# Altium PCB coenv_PCB.PcbDoc
Units mm, origin at the board's own origin, x right, y up, seen from the top; angles counter-clockwise.
Board outline 60.2 x 70.1 mm, 2 copper layers (Top Layer, Bottom Layer); 17 components, 29 nets, 109 pads, 0 vias.
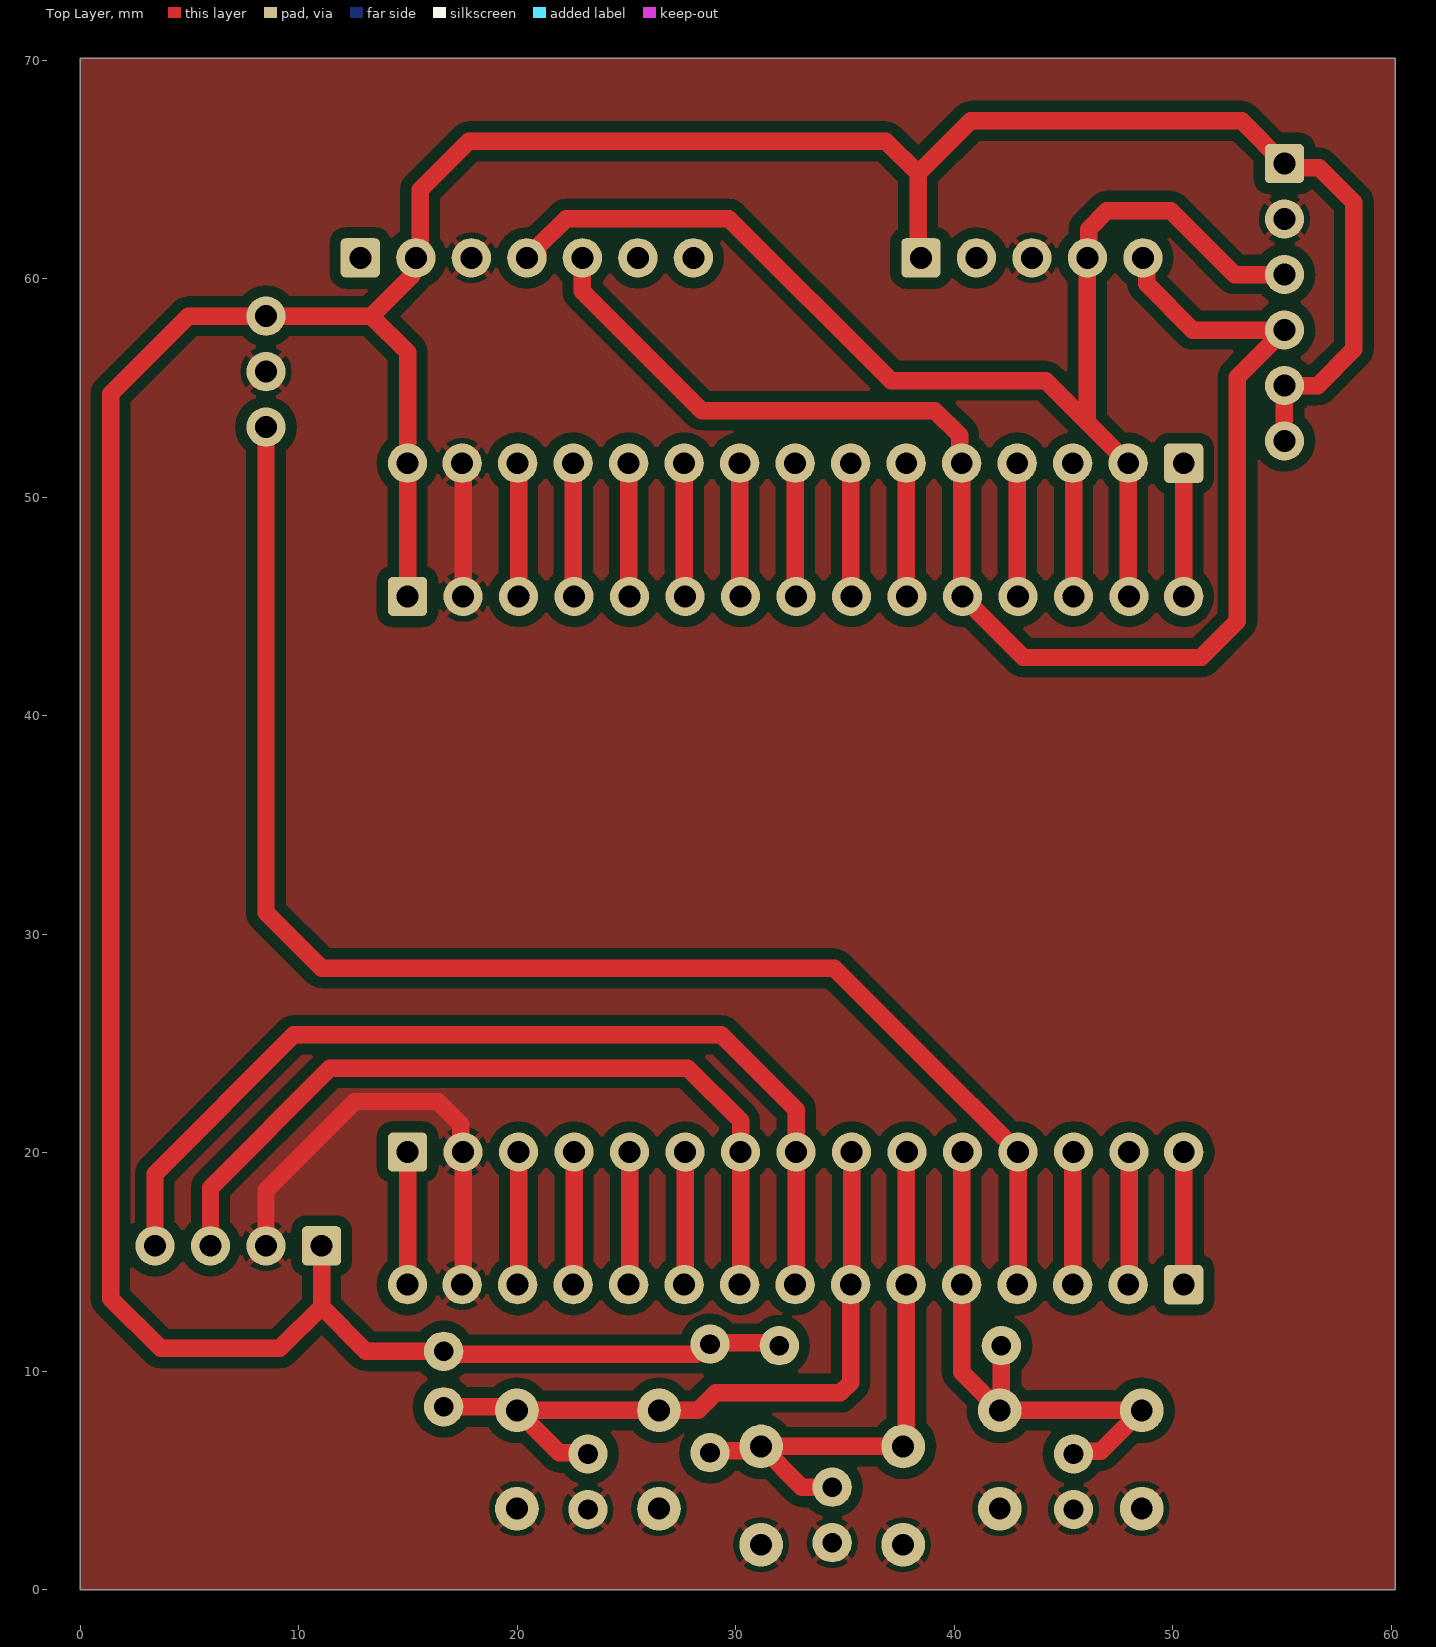
[diagram p0: Top Layer view]
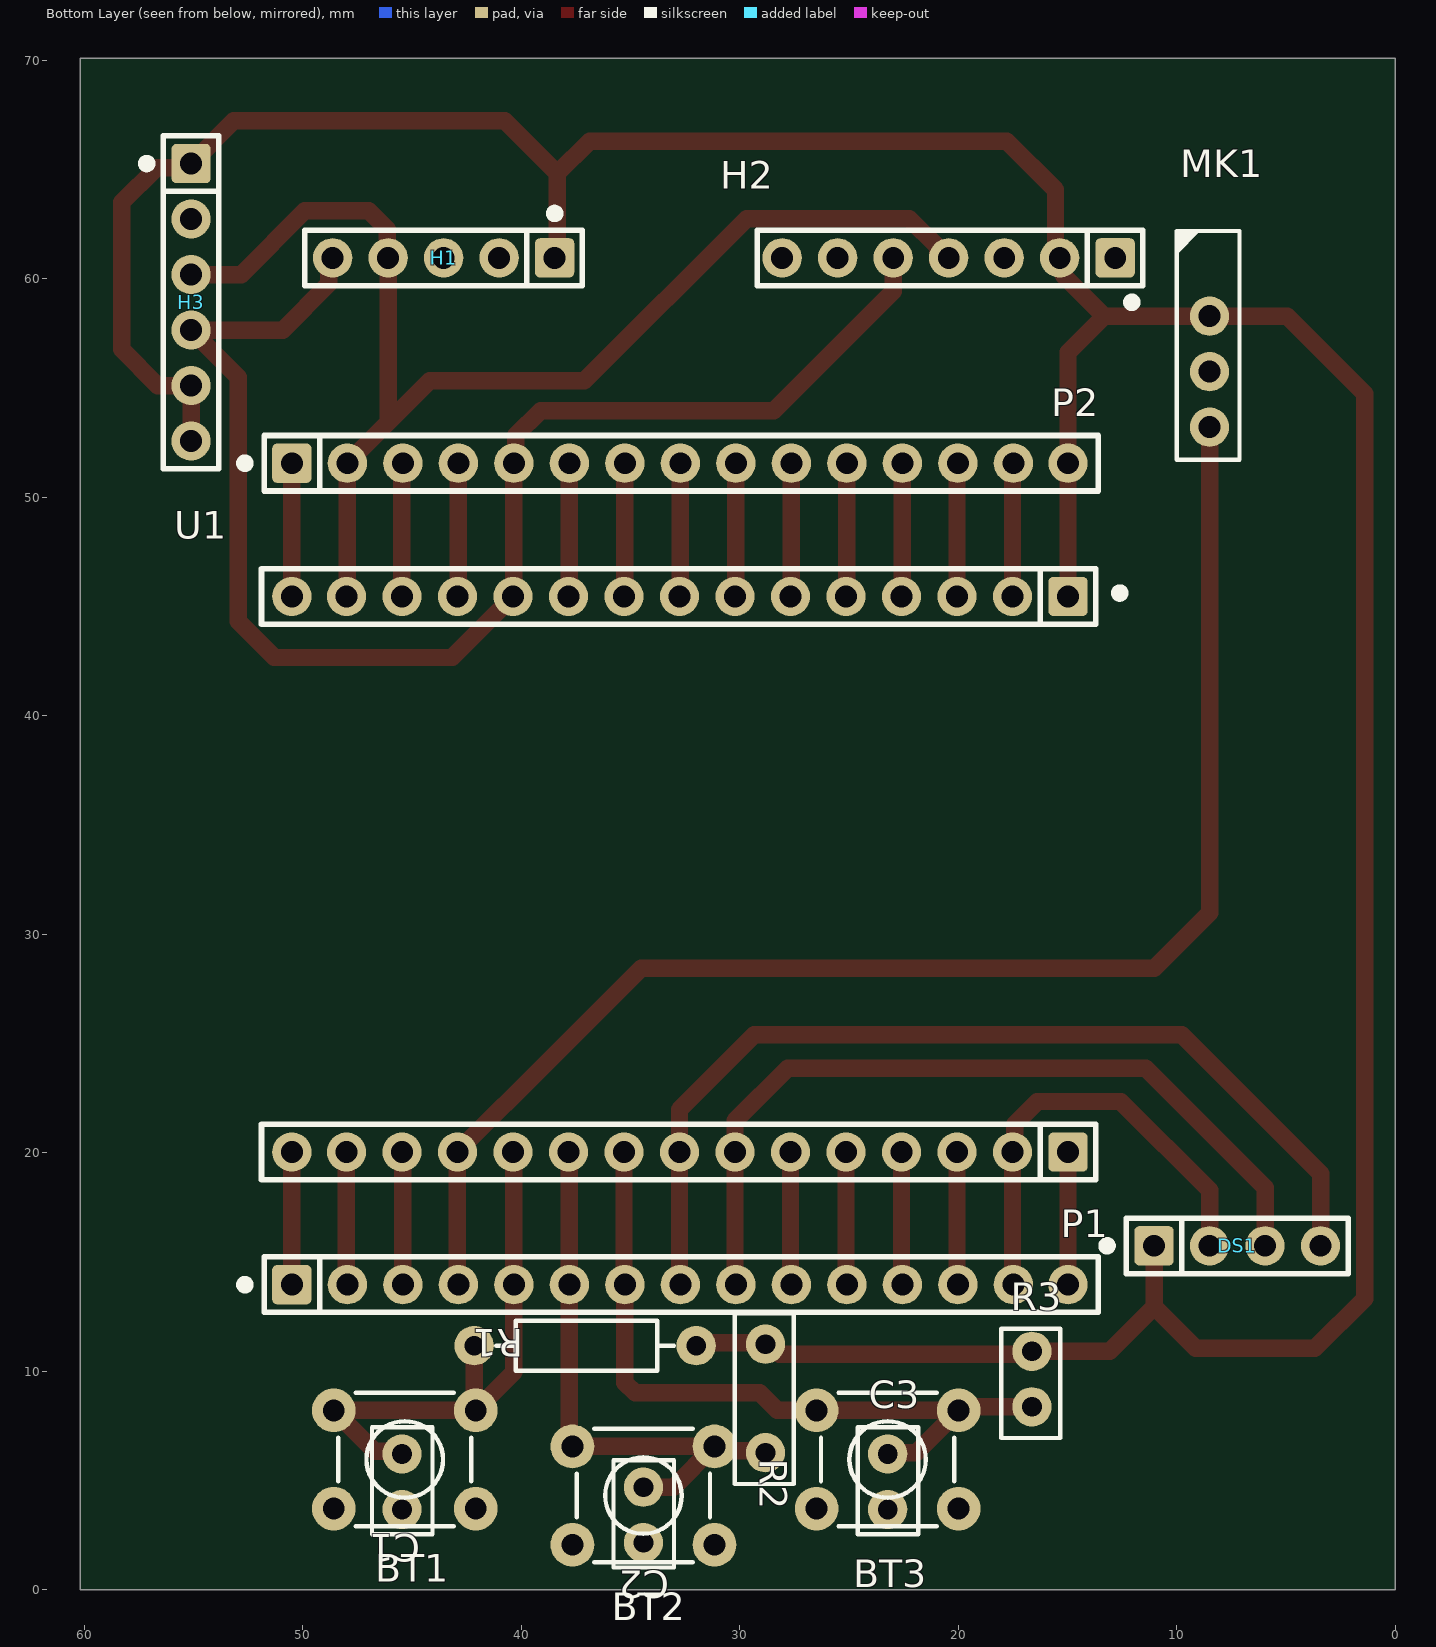
[diagram p1: Bottom Layer view, seen from below]

## Layer stack, top to bottom
Top Solder: solder mask 0.0102, Solder Resist, Dk 3.5
Top Layer: signal copper 0.0356
Dielectric 1: dielectric 0.32, FR-4, Dk 4.8
Bottom Layer: signal copper 0.0356
Bottom Solder: solder mask 0.0102, Solder Resist, Dk 3.5

## Board outline
0,0 60.198,0 60.198,70.104 0,70.104

## Design rules (kind name [scope] priority, off if disabled: settings)
Clearance [All] p1: gap=0.5 ignorepadtopadclearanceinfootprint=FALSE except(0: Arc-Text Arc-Hole Track-Text Track-Hole SMDPad-Text SMDPad-Hole THPad-Text THPad-Hole Via-Text Via-Hole Fill-Text Fill-Hole Poly-Text Poly-Hole Region-Text Region-Hole Text-Text Text-Hole)
ComponentClearance [All] p1: gap=0 collisioncheckmode=3 verticalgap=0 showdistances=FALSE
Height [All] p1: minheight=0 maxheight=254 prefheight=12.7
HoleSize [All] p1: absolutevalues=TRUE maxlimit=4 minlimit=0.025 maxpercent=80.000 minpercent=20.000
PolygonConnect [All] p1: connectstyle=Relief reliefconductorwidth=0.254 reliefentries=4 polygonreliefangle="45 Angle" airgapwidth=0.254
RoutingVias [All] p1: holewidth=0.711 width=1.27 viastyle="Through Hole" minholewidth=0.711 minwidth=1.27 maxholewidth=0.711 maxwidth=1.27
SilkToSilkClearance [All] p1: silktosilkclearance=0
SilkToSolderMaskClearance [IsPad] p1: minsilkscreentomaskgap=0 clearancetoexposedcopper=TRUE
SolderMaskExpansion [All] p1: expansion=0 istentingtop=FALSE
Width [All] p1: maxlimit=0.8 minlimit=0.254 preferedwidth=0.5
25 further rules are at their usual default settings.

## Components (designator, comment, footprint, x,y, rotation, side; value= is the part's Value field where it differs from the comment)
BT1 "SPST" "TACT SWITCH PHT" 45.339,5.969 r180 bottom
BT2 "SPST" "TACT SWITCH PHT" 34.417,4.318 r180 bottom
BT3 "SPST" "TACT SWITCH PHT" 23.241,5.969 r180 bottom
C1 "VJ0603Y104JXJPW1BC" "CAP CER DISK 100NF 50V" 45.466,4.953 r90 bottom value=100nF
C2 "VJ0603Y104JXJPW1BC" "CAP CER DISK 100NF 50V" 34.417,3.429 r90 bottom value=100nF
C3 "VJ0603Y104JXJPW1BC" "CAP CER DISK 100NF 50V" 23.241,4.953 r90 bottom value=100nF
DS1 "Display OLED" "OLED 128x64 - offset" 11.049,15.748 r180 bottom
H1 "SGP30" "SGP30 1x5" 38.481,60.96 r0 bottom
H2 "AS7262" AS7262 12.827,60.96 r0 bottom
H3 "BME280-module" "BME280 1x6" 55.118,65.278 r270 bottom
MK1 "Microphone" "microphone module max4466" 8.509,57.023 r270 bottom
P1 "Header 15" "HDR FEMALE 1x15" 33.996,13.97 r180 bottom
P2 "Header 15" "HDR FEMALE 1x15" 33.996,51.562 r180 bottom
R1 "RES 1/4W CARBON FILM" "RES 10K 1/4W CARBON FILM" 37.084,11.176 r180 bottom
R2 "RES 1/4W CARBON FILM" "RES 10K 1/4W CARBON FILM_STAND 2" 28.829,8.763 r90 bottom
R3 "RES 1/4W CARBON FILM" "RES 10K 1/4W CARBON FILM_STAND" 16.637,9.652 r90 bottom
U1 "ESP32-DEVKITC" ESP32-WROOM-devkit 17.018,31.623 r270 bottom

## Footprints (in the part's own frame and the unit in brackets; to place one, negate y for a bottom-side part, rotate by r counter-clockwise, add the part's x,y. Pads: shape width x height; smd on the part's side, far side on the other; paste and mask are expansions set on the pad)
AS7262 [mm] "PinHeader 1x6 TH Pitch 2.54mm"
  rrect25% 1.8x1.8 hole 1: 1(0,0)
  round 1.8 hole 1: 2(2.54,0) 3(5.08,0) 4(7.62,0) 5(10.16,0) 6(12.7,0) 7(15.24,0)
  silkscreen extent -1.27,-1.27 16.38,2.18, body extent -1.38,-4.45 16.62,1.27, height 18.89
"BME280 1x6" [mm] "PinHeader 1x6 TH Pitch 2.54mm"
  rrect25% 1.8x1.8 hole 1: 1(0,0)
  round 1.8 hole 1: 2(2.54,0) 3(5.08,0) 4(7.62,0) 5(10.16,0) 6(12.7,0)
  silkscreen extent -1.27,-2.18 13.97,1.27, body extent -1.3,-1.56 14,1.27, height 12.75
"CAP CER DISK 100NF 50V" [mm] "Connector; Header; 5 Position"
  round 1.8 hole 0.9: 1(-1.27,0) 2(1.27,0)
  silkscreen extent -2.4,-1.4 2.5,1.37, body extent -2.28,-1.25 2.42,1.25, height 6.1
ESP32-WROOM-devkit [mm]
  rrect25% 1.8x1.8 hole 1: 1(-13.843,2.032) 30(11.584,2.032)
  round 1.8 hole 1: 2(-13.843,-0.508) 3(-13.843,-3.048) 4(-13.843,-5.588) 5(-13.843,-8.128) 6(-13.843,-10.668) 7(-13.843,-13.208) 8(-13.843,-15.748) 9(-13.843,-18.288) 10(-13.843,-20.828) 11(-13.843,-23.368) 12(-13.843,-25.908) 13(-13.843,-28.448) 14(-13.843,-30.988) 15(-13.843,-33.488) 16(11.584,-33.488) 17(11.584,-30.988) 18(11.584,-28.448) 19(11.584,-25.908) 20(11.584,-23.368) 21(11.584,-20.828) 22(11.584,-18.288) 23(11.584,-15.748) 24(11.584,-13.208) 25(11.584,-10.668) 26(11.584,-8.128) 27(11.584,-5.588) 28(11.584,-3.048) 29(11.584,-0.508)
  silkscreen extent -15.11,-34.88 12.85,4.55, body extent -15.65,-38.95 12.85,11.98, height 6.94
"HDR FEMALE 1x15" [mm]
  rrect25% 1.8x1.8 hole 1: 1(-16.51,0)
  round 1.8 hole 1: 2(-13.97,0) 3(-11.43,0) 4(-8.89,0) 5(-6.35,0) 6(-3.81,0) 7(-1.27,0) 8(1.27,0) 9(3.81,0) 10(6.35,0) 11(8.89,0) 12(11.43,0) 13(13.97,0) 14(16.51,0) 15(19.01,0)
  silkscreen extent -18.81,-1.27 20.4,1.27, body extent -17.8,-1.4 20.43,1.1, height 8.5
"microphone module max4466" [mm] "Connector; Header; 4 Position"
  round 1.8 hole 1: 2(-1.27,0) 3(1.27,0) 4(3.81,0)
  silkscreen extent -5.17,-1.5 5.3,1.37, body extent -6.86,-1.3 7.11,13.33, height 21.59
"OLED 128x64 - offset" [mm] "PinHeader 1x4 TH Pitch 2.54mm"
  rrect25% 1.8x1.8 hole 1: 1(0,0)
  round 1.8 hole 1: 2(2.54,0) 3(5.08,0) 4(7.62,0)
  silkscreen extent -2.3,-1.27 8.89,1.27, body extent -34.31,-2.84 -7.61,25.02, height 31.47
"RES 10K 1/4W CARBON FILM" [mm]
  round 1.8 hole 0.9: 1(-5.08,0) 2(5.08,0)
  silkscreen extent -4.06,-1.14 4.06,1.14, body extent -5.47,-1.27 5.47,1.27, height 3.27
"RES 10K 1/4W CARBON FILM_STAND" [mm]
  round 1.8 hole 0.9: 1(-1.27,0) 2(1.27,0)
  silkscreen extent -2.7,-1.3 2.3,1.4, body extent -2.56,-1.2 1.56,1.34, height 7.82
"RES 10K 1/4W CARBON FILM_STAND 2" [mm]
  round 1.8 hole 0.9: 1(-2.485,0) 2(2.485,0)
  silkscreen extent -3.91,-1.3 3.9,1.4, body extent -3.78,-1.2 0.35,1.34, height 7.82
"SGP30 1x5" [mm] "PinHeader 1x6 TH Pitch 2.54mm"
  rrect25% 1.8x1.8 hole 1: 1(0,0)
  round 1.8 hole 1: 2(2.54,0) 3(5.08,0) 4(7.62,0) 5(10.16,0)
  silkscreen extent -1.27,-2.18 11.43,1.27, body extent -1.4,-4.44 11.43,1.27, height 16.76
"TACT SWITCH PHT" [mm] "Tactile Switch 6x6x7mm"
  round 2 hole 1: 1(-3.25,2.25) 2(3.25,2.25) 3(-3.25,-2.25) 4(3.25,-2.25)
  silkscreen extent -3.05,-3.05 3.05,3.05, body extent -3.95,-3.1 3.95,3.1, height 34

## Part data
BT1 BT2 BT3: library part "SWITCH TACTILE SPST-NO 0.05A 24V", "SWITCH TACTILE SPST-NO 0.05A 24V", Contact Rating @ Voltage="0.05A @ 24VDC", Illumination Type, Color=-, Manufacturer="TE Connectivity ALCOSWITCH Switches", Manufacturer Part Number=FSM2JSMAA, Operating Force=260gf, Operating Temperature="-35°C ~ 85°C", Supplier Part Number 1=FSM2JSMAA-ND, Actuator Height off PCB, from Pins=4.30mm, Actuator Material="Polyamide (PA), Nylon", Actuator Orientation="Top Actuated", Actuator Type=Standard, Category=Switches, Circuit=SPST-NO, ComponentLink1Description=http://www.te.com/commerce/DocumentDelivery/DDEController?Action=srchrtrv&DocNm=2-1437565-7&DocType=Customer+Drawing&DocLang=English, ComponentLink1URL=http://www.te.com/commerce/DocumentDelivery/DDEController?Action=srchrtrv&DocNm=2-1437565-7&DocType=Customer+Drawing&DocLang=English, Features=-, Illumination=Non-Illuminated, Illumination Voltage (Nominal)=-, Ingress Protection=-, Mechanical Life="100,000 Cycles", Mounting Type="Surface Mount", Outline="6.00mm x 6.00mm", Packaging=Bulk, Part Status=Active, Pricing 1="1=0.16, 10=0.159, 25=0.1532, 50=0.1476, 100=0.1394, 250=0.1312, 500=0.12574, 1000=0.09568 (USD)", RoHS="RoHS Compliant", Stock 1=1989, Supplier 1=Digi-Key, Switch Function=Off-Mom, Switch Travel=0.25mm, Termination Style="Gull Wing"
C1 C2 C3: library part "CAP CER 0.1UF 16V 5% 0603", "Multilayer Ceramic Capacitors MLCC - SMD/SMT 0603 0.1uF 16volts X7R 5%", Capacitance="0.1 uF", Case Code - in=0603, Case Code - mm=1608, Case Height="0.95 mm", Case Length="1.6 mm", Case Width="0.8 mm", Dielectric=X7R, Manufacturer="Vishay / Vitramon", Maximum Operating Temperature="+ 125 C", Minimum Operating Temperature="- 55 C", Operating Temperature Range="- 55 C to + 125 C", Package / Case="0603 (1608 metric)", Supplier Part Number 1=77-VJ0603Y104JXJPBC, Temperature Coefficient / Code="+/- 15 %", Tolerance="5 %", Voltage Rating AC=-, Voltage Rating DC="16 V", Brand="Vishay / Vitramon", Category="Multilayer Ceramic Capacitors MLCC - SMD/SMT", ComponentLink1Description=http://www.mouser.com/ds/2/427/vjw1bcbascomseries-223529.pdf, ComponentLink1URL=http://www.mouser.com/ds/2/427/vjw1bcbascomseries-223529.pdf, Dissipation Factor DF=3.5, Manufacturer Part Number=VJ0603Y104JXJPW1BC, Minimum Order Quantity=1, Packaging=Reel, Pricing 1="1=0.089, 50=0.036, 100=0.028, 500=0.025, 1000=0.022, 15000=0.018, 75000=0.016 (AUD)", Product="General Type MLCCs", Product Category="Ceramic Chip Capacitors", Reeling=True, RoHS="RoHS Compliant", RoHS - Mouser=Y, Series="VJ W1BC", Standard Pack Qty=15000, Stock 1=111624, Supplier 1=Mouser, Termination Style=SMD/SMT, Type="Ultra Small Commodity MLCCs"
DS1: "MONOCHROME 1.3 128X64", Background Color=Black, Manufacturer="Adafruit Industries", Manufacturer Part Number=938, Supplier Part Number 1=485-938, Category="LCD, OLED, Graphic Displays", ComponentLink1Description=https://learn.adafruit.com/downloads/pdf/monochrome-oled-breakouts.pdf?src-supplier=Digi-Key, ComponentLink1URL=https://learn.adafruit.com/downloads/pdf/monochrome-oled-breakouts.pdf?src-supplier=Digi-Key, Diagonal Size=0.96inch, Interface=I2C, Pricing 1="1=19,95000, 10=19,95000 (USD)", Resolution (height)=64pixel, Resolution (width)=128pixel, RoHS=Yes, Supplier 1=Mouser
H1: "SGP30 AIR QUALITY SENSOR BREAKOU", Manufacturer="Adafruit Industries", Manufacturer Part Number=3709, Supplier Part Number 1=1528-2531-ND, ComponentLink1Description=https://cdn-learn.adafruit.com/downloads/pdf/adafruit-sgp30-gas-tvoc-eco2-mox-sensor.pdf?src-supplier=Digi-Key, ComponentLink1URL=https://cdn-learn.adafruit.com/downloads/pdf/adafruit-sgp30-gas-tvoc-eco2-mox-sensor.pdf?src-supplier=Digi-Key, Interface=I2C, Pricing 1="1=19,95000 (USD)", RoHS=No, Stock 1=89, Supplier 1=Digi-Key
H2: "Adafruit AS7262 6-Channel Visible Light / Color Sensor Breakout", Manufacturer="Adafruit Industries", Manufacturer Part Number=3779, Supplier Part Number 1=1528-2575-ND, Pricing 1="1=19,95000 (USD)", RoHS=No, Stock 1=90, Supplier 1=Digi-Key
H3: "SENSOR HUM/PRESS I2C/SPI BME280", Manufacturer="Adafruit Industries", Manufacturer Part Number=2652, Package Quantity=1, BME280=485-2652, ComponentLink1Description=http://www.mouser.com/ds/2/737/adafruit-bme280-humidity-barometric-pressure-tempe-740823.pdf?src-supplier=Mouser, ComponentLink1URL=http://www.mouser.com/ds/2/737/adafruit-bme280-humidity-barometric-pressure-tempe-740823.pdf?src-supplier=Mouser, ComponentLink2Description=https://learn.adafruit.com/downloads/pdf/adafruit-bme280-humidity-barometric-pressure-temperature-sensor-breakout.pdf?src-supplier=Digi-Key, ComponentLink2URL=https://learn.adafruit.com/downloads/pdf/adafruit-bme280-humidity-barometric-pressure-temperature-sensor-breakout.pdf?src-supplier=Digi-Key, Evaluation Kit=Yes, Interface=I2C,SPI, Pricing 1="1=19,95000, 10=19,95000 (USD)", RoHS=Yes, Sensor Type=Temperature, Stock 1=267, Supplier 1=Mouser
MK1: "Accessory Type:Electret Microphone; For Use With:MCU & Sensor Evaluation & Development Boards; Features:20-20kHz Electret Microphone, Adjustable Gain, Excellent Power Supply Noise Rejection ;RoHS Compliant: Yes", Manufacturer="Adafruit Industries", Manufacturer Part Number=1063, Supplier Part Number 1=1528-1013-ND, Category="Integrated Circuits (ICs)", ComponentLink1Description=https://datasheet.ciiva.com/46423/1815587-46423253.pdf?src-supplier=Element14, ComponentLink1URL=https://datasheet.ciiva.com/46423/1815587-46423253.pdf?src-supplier=Element14, Evaluation Kit=Yes, Pricing 1="1=6,95000 (USD)", REACH SVHC=Unknown, RoHS=Yes, Stock 1=517, Supplier 1=Digi-Key
P1 P2: "Header, 15-Pin", LatestRevisionDate=17-Jul-2002, LatestRevisionNote="Re-released for DXP Platform.", Publisher="Altium Limited"
R1 R2 R3: "RES ? OHM 1/4W 5% CARBON FILM", Manufacturer=Ty-Ohm, Manufacturer Part Number=CR25, Operating Temperature="-55°C ~ 155°C", Package / Case=Axial, Power (Watts)="0.25W, 1/4W", Resistance (Ohms)=?, Supplier Part Number 1="Resistor de Filme de Carbono 1/4 de Watt CR25 5% de tolerância - 0.22R Ω à 10M Ω", Temperature Coefficient="0/ -500ppm/°C", Tolerance=±5%, Category=Resistors, ComponentLink1Description=http://loja.multcomercial.com.br/resistor-de-1-4-de-watt-cr25-5-de-tolerancia.html, ComponentLink1URL=http://loja.multcomercial.com.br/resistor-de-1-4-de-watt-cr25-5-de-tolerancia.html, Composition="Carbon Film", Features="Flame Retardant Coating, Safety", Height=-, Number of Terminations=2, Packaging="Cut Tape (CT)", Pricing 1="1=0.20 (BRL)", RoHS="RoHS Compliant", Size / Dimension="0.091\" Dia x 0.256\" L (2.30mm x 6.50mm)", Stock 1=617543, Supplier 1="Mult Comercial", Supplier Device Package=Axial
U1: "EVAL BOARD FOR ESP-WROOM-32", Frequency=2.4GHz, Manufacturer="Espressif Systems", Category="RF Semiconductors and Devices", ComponentLink1Description=https://www.espressif.com/sites/default/files/documentation/esp32-wroom-32_datasheet_en.pdf?src-supplier=Digi-Key, ComponentLink1URL=https://www.espressif.com/sites/default/files/documentation/esp32-wroom-32_datasheet_en.pdf?src-supplier=Digi-Key, ESP32-WROOM=DEVKITC, Manufacturer Part Number=ESP32-DEVKITC, Pricing 1="1=0,00000 (USD)", RoHS=No, Supplier 1=Digi-Key

## Nets (pads, with @x,y where several pads share a name; then routed paths per layer and width w, separated by ;. In a path a pad name is that pad's centre, name@x,y a point inside that pad or via, vN(x,y) a via of type N, cw(c..) or ccw(c..) an arc to the next point about the centre after c; other vN are vias at no path point)
3V3: DS1.1 H1.1 H2.2 H3.1 H3.5 H3.6 MK1.2 P2.15 R1.2 R2.2 R3.2 U1.1 | length 175.3
  Top Layer w0.8: DS1.1 11.049,12.954 ; U1.1 P2.15 14.986,56.642 13.335,58.293 ; R1.2 31.877,11.303 28.702,11.303 28.194,10.795 16.764,10.795 R3.2 13.081,10.922 11.049,12.954 ; H1.1@38.354,60.807 38.354,64.822 ; H3.6 H3.5 56.642,55.118 58.293,56.769 58.293,63.5 56.699,65.094 55.302,65.094 H3.1 53.161,67.235 40.767,67.235 38.354,64.822 ; 11.049,12.954 9.144,11.049 3.683,11.049 1.397,13.335 1.397,54.737 4.953,58.293 MK1.2 13.335,58.293 ; 13.335,58.293 15.176,60.134 15.176,60.769 15.558,61.151 15.558,64.072 17.78,66.294 36.882,66.294 38.354,64.822
BT1: BT1.1 BT1.2 C1.2 P1.5 R1.1 U1.20 | length 26.3
  Top Layer w0.8: U1.20 40.346,19.999 P1.5 ; P1.5@40.537,13.779 P1.5 ; R1.1 42.164,8.294 BT1.2 ; C1.2 45.587,6.344 46.714,6.344 BT1.1 BT1.2 ; P1.5 40.346,9.962 BT1.2
BT2: BT2.1 BT2.2 C2.2 P1.6 R2.1 U1.21 | length 26.7
  Top Layer w0.8: R2.1 28.914,6.363 30.962,6.363 BT2.2 ; C2.2 33.036,4.699 BT2.2 ; P1.6@37.667,13.831 P1.6 ; U1.21 37.806,19.999 P1.6 ; BT2.2 BT2.1 37.806,6.707 P1.6
BT3: BT3.1 BT3.2 C3.2 P1.7 R3.1 U1.22 | length 33.9
  Top Layer w0.8: R3.1 19.828,8.382 BT3.2 ; C3.2 23.183,6.281 21.929,6.281 BT3.2 ; U1.22 35.306,14.01 P1.7 35.266,9.486 34.797,9.017 29.083,9.017 28.285,8.219 BT3.2
CSB: P2.8 U1.8 | length 6.3
  Top Layer w0.8: P2.8@32.569,51.719 P2.8 32.726,45.506 U1.8
GND: BT1.3 BT1.4 BT2.3 BT2.4 BT3.3 BT3.4 C1.1 C2.1 C3.1 DS1.2 H1.3 H2.3 H3.2 MK1.3 P1.14 P2.14 U1.2 U1.29 | length 27.1
  Top Layer w0.8: DS1.2 8.509,18.288 12.573,22.352 16.383,22.352 17.426,21.309 17.426,20.139 U1.29 17.526,14.01 P1.14 ; P2.14 17.526,51.522 U1.2
MIC_OUT: MK1.4 P1.4 U1.19 | length 67.3
  Top Layer w0.8: MK1.4 8.509,30.988 11.049,28.448 34.523,28.448 38.587,24.384 42.926,20.045 U1.19 42.926,14.01 P1.4
NetP1_1: P1.1 U1.16 | length 6.1
  Top Layer w0.8: P1.1 U1.16
NetP1_2: P1.2 U1.17 | length 6.1
  Top Layer w0.8: P1.2 48.006,14.01 U1.17
NetP1_3: P1.3 U1.18 | length 6.1
  Top Layer w0.8: P1.3 45.426,19.999 U1.18
NetP1_10: P1.10 U1.25 | length 6.1
  Top Layer w0.8: P1.10 27.686,14.01 U1.25
NetP1_11: P1.11 U1.26 | length 6.1
  Top Layer w0.8: P1.11 25.146,14.01 U1.26
NetP1_12: P1.12 U1.27 | length 6.1
  Top Layer w0.8: P1.12 22.606,14.01 U1.27
NetP1_13: P1.13 U1.28 | length 6.1
  Top Layer w0.8: P1.13 20.066,14.01 U1.28
NetP1_15: P1.15 U1.30 | length 6.1
  Top Layer w0.8: P1.15 U1.30
NetP2_1: P2.1 U1.15 | length 6.1
  Top Layer w0.8: U1.15 P2.1
NetP2_3: P2.3 U1.13 | length 6.1
  Top Layer w0.8: P2.3 45.466,51.522 U1.13
NetP2_4: P2.4 U1.12 | length 6.1
  Top Layer w0.8: P2.4 42.886,45.506 U1.12
NetP2_6: P2.6 U1.10 | length 6.1
  Top Layer w0.8: P2.6 37.806,45.506 U1.10
NetP2_9: P2.9 U1.7 | length 6.1
  Top Layer w0.8: P2.9 30.186,45.506 U1.7
NetP2_10: P2.10 U1.6 | length 6.1
  Top Layer w0.8: P2.10 27.646,45.506 U1.6
NetP2_11: P2.11 U1.5 | length 6.1
  Top Layer w0.8: P2.11 25.106,45.506 U1.5
NetP2_12: P2.12 U1.4 | length 6.1
  Top Layer w0.8: P2.12 22.566,45.506 U1.4
NetP2_13: P2.13 U1.3 | length 6.1
  Top Layer w0.8: P2.13 20.066,51.522 U1.3
SCL: H1.4 H2.4 H3.3 P2.2 U1.14 | length 58.3
  Top Layer w0.8: H2.4@20.955,60.833 20.955,61.474 22.241,62.76 29.696,62.76 37.118,55.338 44.196,55.338 46.101,53.433 ; U1.14 47.966,45.506 P2.2 47.966,51.568 46.101,53.433 ; H3.3 52.832,60.198 49.911,63.119 46.99,63.119 46.151,62.28 46.151,61.01 H1.4 46.101,53.433
SCL2: DS1.3 P1.9 U1.24 | length 37.7
  Top Layer w0.8: DS1.3 5.969,18.415 11.43,23.876 27.813,23.876 30.226,21.463 30.226,14.01 P1.9
SDA: H1.5 H2.5 H3.4 P2.5 U1.11 | length 66
  Top Layer w0.8: H2.5 22.987,59.436 28.448,53.975 39.116,53.975 40.253,52.838 40.253,51.655 P2.5 40.346,45.506 U1.11 40.386,45.46 43.174,42.672 51.308,42.672 52.959,44.323 52.959,55.505 H3.4@55.112,57.658 ; H1.5 48.818,60.783 48.818,59.767 50.927,57.658 H3.4@55.112,57.658 ; H3.4 H3.4@55.112,57.658
SDA2: DS1.4 P1.8 U1.23 | length 44.7
  Top Layer w0.8: DS1.4 3.429,19.05 9.779,25.4 29.337,25.4 32.766,21.971 32.766,14.01 P1.8
SDO: P2.7 U1.9 | length 6.1
  Top Layer w0.8: P2.7 35.266,45.506 U1.9
pads on no net: H1.2 H2.1 H2.6 H2.7

## Polygon pours and split planes (outlines as drawn)
no net on Top Layer "NONET_L01_P003" (solid, pour order 3): 82.804,73.025
GND on Top Layer "GND_L01_P002" (solid, pour order 2): 0,0 60.198,0 60.198,70.104 0,70.104
no net on Top Layer "NONET_L01_P001" (solid, pour order 1): 3.556,7.62

## Text inside footprints (layer, text, board x,y; h text height)
C1: Mechanical 29 "1" at 44.366,4.553 h0.5 r270
C2: Mechanical 29 "1" at 33.317,3.029 h0.5 r270
C3: Mechanical 29 "1" at 22.141,4.553 h0.5 r270
R1: Mechanical 29 "1" at 41.021,10.16 h0.5
R3: Mechanical 29 "1" at 15.637,7.252 h0.5 r270